# KiCad board strike-controller.kicad_pcb
title: Liger v0.2; date: 2016-09-21; company: PYFI
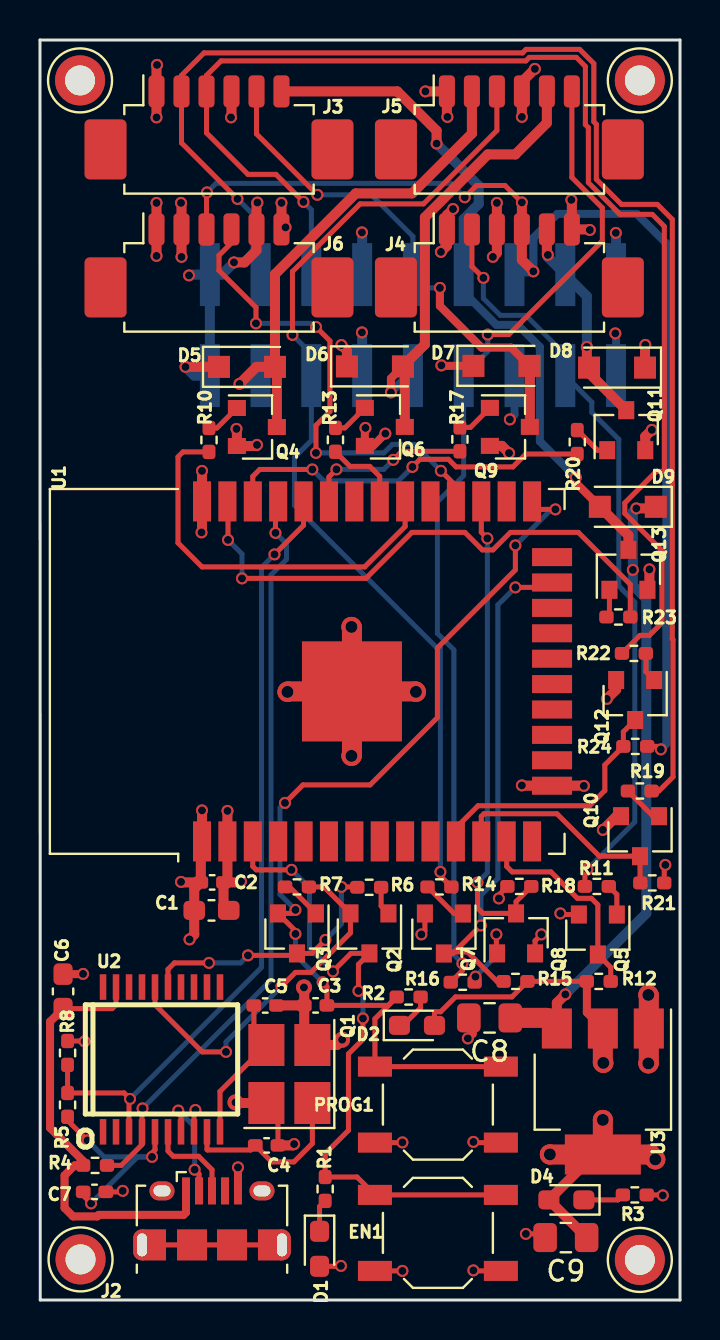
[diagram p0: board, top side]
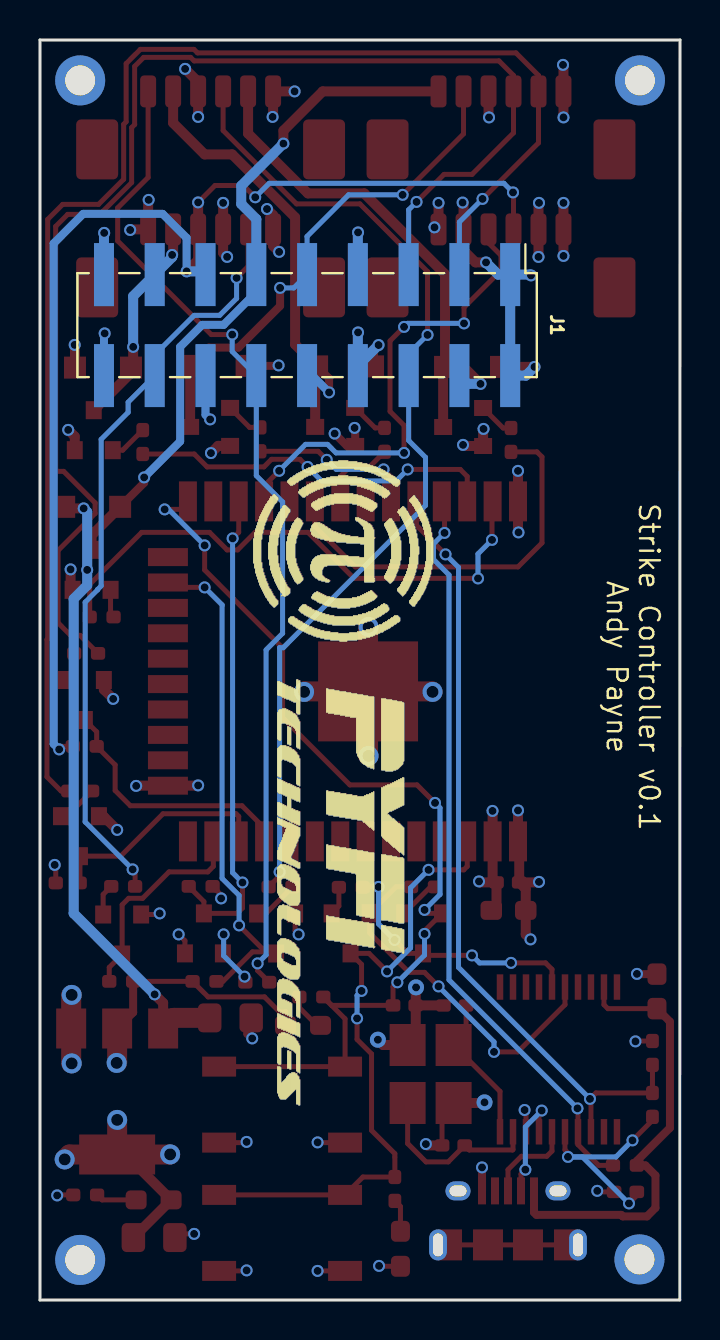
[diagram p1: board, bottom side, seen from below]

Outline 32.01 x 63 mm; copper layers: Top, In1.Cu (plane), In2.Cu (plane), Bottom. Coordinates in mm from the lower left corner of the outline.
Outline path: 0,63 0.01,0 32.01,0 32.01,63 0,63

## Placement (name value [footprint] x y rotation side)
C1  C_10uF  [C_0603_1608Metric_Pad1.08x0.95mm_HandSolder]  8.58 19.48 180 top
C2  C_1uF  [C_0402_1005Metric_Pad0.74x0.62mm_HandSolder]  8.61 20.88 180 top
C3  C_1uF  [C_0402_1005Metric_Pad0.74x0.62mm_HandSolder]  13.79 14.73 180 top
C4  C_27pF_0402  [C_0402_1005Metric_Pad0.74x0.62mm_HandSolder]  11.34 7.73 0 top
C5  C_27pF_0402  [C_0402_1005Metric_Pad0.74x0.62mm_HandSolder]  11.27 14.73 0 top
C6  C_22uF  [C_0603_1608Metric_Pad1.08x0.95mm_HandSolder]  1.15 15.43 90 top
C7  C_100nF_0402  [C_0402_1005Metric_Pad0.74x0.62mm_HandSolder]  2.73 5.41 0 top
C8  C_10uF  [C_0805_2012Metric_Pad1.18x1.45mm_HandSolder]  22.49 14.11 180 top
C9  C_10uF  [C_0805_2012Metric_Pad1.18x1.45mm_HandSolder]  26.3 3.12 180 top
D1  LED_G  [D_0603_1608Metric_Pad1.05x0.95mm_HandSolder]  13.98 2.56 270 top
D2  LED_G  [D_0603_1608Metric_Pad1.05x0.95mm_HandSolder]  18.86 13.73 0 top
D4  LED_G  [LED_0603_1608Metric_Pad1.05x0.95mm_HandSolder]  26.33 5.01 180 top
D5  D_SM4007PL  [D_SOD-123F]  10.35 46.66 0 top
D6  D_SM4007PL  [D_SOD-123F]  16.75 46.68 0 top
D7  D_SM4007PL  [D_SOD-123F]  23.08 46.71 0 top
D8  D_SM4007PL  [D_SOD-123F]  28.86 46.62 180 top
D9  D_SM4007PL  [D_SOD-123F]  29.4 39.66 180 top
EN1  SW_PUSH_SM  [SW_SPST_TL3342]  19.9 3.36 0 top
J1  Conn_02x09_Odd_Even  [PinHeader_2x09_P2.54mm_Vertical_SMD]  18.65 48.75 270 bottom
J2  USB_B_Micro  [USB_Micro-B_Amphenol_10118194_Horizontal]  8.6 4.06 0 top
J3  Molex_Blade_6pin  [Molex_PicoBlade_53261-0671_1x06-1MP_P1.25mm_Horizontal]  8.95 58.03 0 top
J4  Molex_Blade_6pin  [Molex_PicoBlade_53261-0671_1x06-1MP_P1.25mm_Horizontal]  23.48 51.13 0 top
J5  Molex_Blade_6pin  [Molex_PicoBlade_53261-0671_1x06-1MP_P1.25mm_Horizontal]  23.48 58.03 0 top
J6  Molex_Blade_6pin  [Molex_PicoBlade_53261-0671_1x06-1MP_P1.25mm_Horizontal]  8.95 51.13 0 top
J7  Conn_01x01_Female  [Mount_Hole_1p5]  2 60.98 0 top
J8  Conn_01x01_Female  [Mount_Hole_1p5]  2.03 2.03 0 top
J9  Conn_01x01_Female  [Mount_Hole_1p5]  30 60.98 0 top
J10  Conn_01x01_Female  [Mount_Hole_1p5]  30 2.01 0 top
LOGO  -  [LOGO]  18.23 30.78 270 bottom
PROG1  SW_PUSH_SM  [SW_SPST_TL3342]  19.9 9.77 0 top
Q1  Crystal_12Mhz  [Crystal_SMD_3225-4Pin_3.2x2.5mm_HandSoldering]  12.47 11.3 90 top
Q2  Q_SS8050  [SOT-23]  16.48 18.33 270 top
Q3  Q_SS8550  [SOT-23]  12.85 18.33 270 top
Q4  Q_MMBT5551  [SOT-23]  10.85 43.65 0 top
Q5  Q_MMBT5551  [SOT-23]  27.9 18.28 270 top
Q6  Q_MMBT5551  [SOT-23]  17.25 43.66 0 top
Q7  Q_MMBT5551  [SOT-23]  20.2 18.33 270 top
Q8  Q_MMBT5551  [SOT-23]  23.81 18.33 90 top
Q9  Q_MMBT5551  [SOT-23]  23.5 43.66 0 top
Q10  Q_MMBT5551  [SOT-23]  30.01 23.19 270 top
Q11  Q_MMBT5551  [SOT-23]  29.32 43.49 90 top
Q12  Q_MMBT5551  [SOT-23]  29.77 30 270 top
Q13  Q_MMBT5551  [SOT-23]  29.43 36.51 90 top
R1  R_10K_0402  [R_0402_1005Metric_Pad0.72x0.64mm_HandSolder]  14.26 5.55 270 top
R2  R_10K_0402  [R_0402_1005Metric_Pad0.72x0.64mm_HandSolder]  18.44 15.15 0 top
R3  R_1K_0402  [R_0402_1005Metric_Pad0.72x0.64mm_HandSolder]  29.75 5.26 0 top
R4  R_10K_0402  [R_0402_1005Metric_Pad0.72x0.64mm_HandSolder]  2.76 6.73 0 top
R5  R_10K_0402  [R_0402_1005Metric_Pad0.72x0.64mm_HandSolder]  1.38 9.76 90 top
R6  R_1K_0402  [R_0402_1005Metric_Pad0.72x0.64mm_HandSolder]  16.47 20.64 180 top
R7  R_1K_0402  [R_0402_1005Metric_Pad0.72x0.64mm_HandSolder]  12.86 20.66 0 top
R8  R_10K_0402  [R_0402_1005Metric_Pad0.72x0.64mm_HandSolder]  1.38 12.35 90 top
R10  R_1K_0402  [R_0402_1005Metric_Pad0.72x0.64mm_HandSolder]  8.45 43 270 top
R11  R_1K_0402  [R_0402_1005Metric_Pad0.72x0.64mm_HandSolder]  27.85 20.68 180 top
R12  R_1K_0402  [R_0402_1005Metric_Pad0.72x0.64mm_HandSolder]  27.95 15.93 180 top
R13  R_1K_0402  [R_0402_1005Metric_Pad0.72x0.64mm_HandSolder]  14.78 43.01 270 top
R14  R_1K_0402  [R_0402_1005Metric_Pad0.72x0.64mm_HandSolder]  19.98 20.66 0 top
R15  R_1K_0402  [R_0402_1005Metric_Pad0.72x0.64mm_HandSolder]  23.78 15.93 0 top
R16  R_1K_0402  [R_0402_1005Metric_Pad0.72x0.64mm_HandSolder]  21.14 15.89 180 top
R17  R_1K_0402  [R_0402_1005Metric_Pad0.72x0.64mm_HandSolder]  21 43.03 270 top
R18  R_1K_0402  [R_0402_1005Metric_Pad0.72x0.64mm_HandSolder]  23.98 20.68 180 top
R19  R_1K_0402  [R_0402_1005Metric_Pad0.72x0.64mm_HandSolder]  30 25.45 0 top
R20  R_1K_0402  [R_0402_1005Metric_Pad0.72x0.64mm_HandSolder]  26.87 42.9 270 top
R21  R_1K_0402  [R_0402_1005Metric_Pad0.72x0.64mm_HandSolder]  30.63 20.86 0 top
R22  R_1K_0402  [R_0402_1005Metric_Pad0.72x0.64mm_HandSolder]  29.71 32.33 180 top
R23  R_1K_0402  [R_0402_1005Metric_Pad0.72x0.64mm_HandSolder]  28.93 34.15 0 top
R24  R_1K_0402  [R_0402_1005Metric_Pad0.72x0.64mm_HandSolder]  29.78 27.68 0 top
U1  -  [ESP32-WROOM-32]  16.36 31.43 90 top
U2  CH340T(SSOP20W)  [SSOP-20W]  6.08 12.03 0 top
U3  REG_AMS1117-3.3  [SOT-223-3_TabPin2]  28.15 10.43 270 top

## Footprints (pads in the part's own frame, mm; a bottom-side part is the same pattern mirrored in y, then rotated)
C_0402_1005Metric_Pad0.74x0.62mm_HandSolder
  rrect 0.735x0.62 smd: 1(-0.568,0) 2(0.568,0)
C_0603_1608Metric_Pad1.08x0.95mm_HandSolder
  rrect 1.075x0.95 smd: 1(-0.863,0) 2(0.863,0)
C_0805_2012Metric_Pad1.18x1.45mm_HandSolder
  rrect 1.175x1.45 smd: 1(-1.038,0) 2(1.038,0)
Crystal_SMD_3225-4Pin_3.2x2.5mm_HandSoldering
  rect 2.1x1.8 smd: 1(-1.45,-1.15) 2(1.45,-1.15) 3(1.45,1.15) 4(-1.45,1.15)
D_0603_1608Metric_Pad1.05x0.95mm_HandSolder
  rrect 1.05x0.95 smd: 1(-0.875,0) 2(0.875,0)
D_SOD-123F
  rect 1.1x1.1 smd: 1(-1.4,0) 2(1.4,0)
ESP32-WROOM-32
  rect 2x0.9 smd: 1(-8.5,8.255) 2(-8.5,6.985) 3(-8.5,5.715) 4(-8.5,4.445) 5(-8.5,3.175) 6(-8.5,1.905) 7(-8.5,0.635) 8(-8.5,-0.635) 9(-8.5,-1.905) 10(-8.5,-3.175) 11(-8.5,-4.445) 12(-8.5,-5.715) 13(-8.5,-6.985) 14(-8.5,-8.255) 25(8.5,-8.255) 26(8.5,-6.985) 27(8.5,-5.715) 28(8.5,-4.445) 29(8.5,-3.175) 30(8.5,-1.905) 31(8.5,-0.635) 32(8.5,0.635) 33(8.5,1.905) 34(8.5,3.175) 35(8.5,4.445) 36(8.5,5.715) 37(8.5,6.985) 38(8.5,8.255)
  rect 0.9x2 smd: 15(-5.715,-9.255) 16(-4.445,-9.255) 17(-3.175,-9.255) 18(-1.905,-9.255) 19(-0.635,-9.255) 20(0.635,-9.255) 21(1.905,-9.255) 22(3.175,-9.255) 23(4.445,-9.255) 24(5.715,-9.255)
  rect 5x5 smd: 39(-1,0.755)
LED_0603_1608Metric_Pad1.05x0.95mm_HandSolder
  rrect 1.05x0.95 smd: 1(-0.875,0) 2(0.875,0)
Molex_PicoBlade_53261-0671_1x06-1MP_P1.25mm_Horizontal
  rrect 0.8x1.6 smd: 1(-3.125,2.4) 2(-1.875,2.4) 3(-0.625,2.4) 4(0.625,2.4) 5(1.875,2.4) 6(3.125,2.4)
  rrect 2.1x3 smd: MP(-5.675,-0.5) MP(5.675,-0.5)
Mount_Hole_1p5
  round 2.5 hole 1.5: 1(0,0)
PinHeader_2x09_P2.54mm_Vertical_SMD
  rect 3.15x1 smd: 1(-2.525,10.16) 2(2.525,10.16) 3(-2.525,7.62) 4(2.525,7.62) 5(-2.525,5.08) 6(2.525,5.08) 7(-2.525,2.54) 8(2.525,2.54) 9(-2.525,0) 10(2.525,0) 11(-2.525,-2.54) 12(2.525,-2.54) 13(-2.525,-5.08) 14(2.525,-5.08) 15(-2.525,-7.62) 16(2.525,-7.62) 17(-2.525,-10.16) 18(2.525,-10.16)
R_0402_1005Metric_Pad0.72x0.64mm_HandSolder
  rrect 0.715x0.64 smd: 1(-0.598,0) 2(0.598,0)
SOT-23
  rect 0.9x0.8 smd: 1(-1,0.95) 2(-1,-0.95) 3(1,0)
SOT-223-3_TabPin2
  rect 2x1.5 smd: 1(-3.15,2.3) 2(-3.15,0) 3(-3.15,-2.3)
  rect 2x3.8 smd: 2(3.15,0)
SSOP-20W
  rect 0.325x1.27 smd: 1(-2.925,-3.619) 2(-2.275,-3.619) 3(-1.625,-3.619) 4(-0.975,-3.619) 5(-0.325,-3.619) 6(0.325,-3.619) 7(0.975,-3.619) 8(1.625,-3.619) 9(2.275,-3.619) 10(2.925,-3.619) 11(2.925,3.619) 12(2.275,3.619) 13(1.625,3.619) 14(0.975,3.619) 15(0.325,3.619) 16(-0.325,3.619) 17(-0.975,3.619) 18(-1.625,3.619) 19(-2.275,3.619) 20(-2.925,3.619)
SW_SPST_TL3342
  rect 1.7x1 smd: 1(-3.15,1.9) 1(3.15,1.9) 2(-3.15,-1.9) 2(3.15,-1.9)
USB_Micro-B_Amphenol_10118194_Horizontal
  oval 0.89x1.55 smd: (-3.5,-1.3) (3.5,-1.3)
  oval 1.25x0.95 smd: (-2.5,1.4) (2.5,1.4)
  rect 0.4x1.35 smd: 1(-1.3,1.4) 2(-0.65,1.4) 3(0,1.4) 4(0.65,1.4) 5(1.3,1.4)
  oval 0.89x1.55 hole 0.5x1.15: 6(-3.5,-1.3) 6(3.5,-1.3)
  rect 1.2x1.55 smd: 6(-2.9,-1.3) 6(2.9,-1.3)
  oval 1.25x0.95 hole 0.85x0.55: 6(-2.5,1.4) 6(2.5,1.4)
  rect 1.5x1.55 smd: 6(-1,-1.3) 6(1,-1.3)

## Nets
/3V3: C1.1 C2.1 C9.1 D1.2 D2.2 D4.2 J1.13 J4.4 J6.3 R8.2 R12.2 R15.2 R18.2 R21.2 R24.2 U1.2 U3.2
/USB/5V: C6.1 J2.1 R4.1 U2.19
GND: C1.2 C2.2 C3.2 C4.2 C5.2 C6.2 C7.2 C8.2 C9.2 EN1.2 J1.7 J1.17 J1.18 J2.5 J2.6 J3.4 J4.3 J4.6 J6.1 J6.6 J7.1 J8.1 J9.1 J10.1 PROG1.2 Q1.2 Q1.4 Q4.2 Q5.2 Q6.2 Q7.2 Q8.2 Q9.2 Q10.2 Q11.2 Q12.2 Q13.2 R3.2 U1.1 U1.15 U1.38 U1.39 U2.8 U3.1
/AUX: D9.2 J1.11 J3.6 Q13.3
/AUX_IO: R23.2 U1.37
/BUZZER1: D8.2 J1.15 J4.5 Q11.3
/BUZZER1_IO: R20.2 U1.36
/CONTACT1: J1.6 J5.3 R14.2
/CONTACT1_IO: Q7.3 R15.1 U1.23
/CONTACT2: J1.12 J5.6 R16.2
/CONTACT2_IO: Q8.3 R18.1 U1.27
/ESP_EN: EN1.1 Q2.3 R1.1 U1.3
/EXIT: J1.16 J4.2 R11.2
/EXIT_IO: Q5.3 R12.1 U1.13
/IO2: U1.24
/IO17: J6.4 U1.28
/KEYPAD_PUSH: D7.2 J1.9 J3.5 Q9.3
/KEYPAD_PUSH_IO: R17.2 U1.33
/LOCK1: D5.2 J1.4 J5.2 Q4.3
/LOCK1_IO: R10.2 U1.30
/LOCK2: D6.2 J1.10 J5.5 Q6.3
/LOCK2_IO: R13.2 U1.31
/Microcontroller/FACT: U1.4
/Microcontroller/IO4: U1.26
/Microcontroller/IO5: U1.29
/Microcontroller/IO12: U1.14
/Microcontroller/IO13: U1.16
/Microcontroller/IO25: U1.10
/Microcontroller/IO32: U1.8
/Microcontroller/IO33: U1.9
/Microcontroller/IO34: U1.6
/Microcontroller/IO35: U1.7
/POWER: C8.1 D5.1 D6.1 D7.1 D8.1 D9.1 J1.1 J1.2 J1.8 J1.14 J3.1 J4.1 J5.1 J5.4 J6.2 J6.5 U3.3
/PROG: C3.1 PROG1.1 Q3.2 R2.1 U1.25
/RX: R5.2 R8.1 U1.34 U2.3
/TX: R4.2 U1.35 U2.4
/USB/D+: J2.3 U2.6
/USB/D-: J2.2 U2.7
/WG_D0: J1.3 J3.2 R19.2
/WG_D0_IO: Q10.3 R21.1 U1.12
/WG_D1: J1.5 J3.3 R22.2
/WG_D1_IO: Q12.3 R24.1 U1.11
Net-(C4-Pad1): C4.1 Q1.1 U2.9
Net-(C5-Pad1): C5.1 Q1.3 U2.10
Net-(C7-Pad1): C7.1 R5.1 U2.5
Net-(D1-Pad1): D1.1 R1.2
Net-(D2-Pad1): D2.1 R2.2
Net-(D4-Pad1): D4.1 R3.1
Net-(J2-Pad4): J2.4
Net-(Q2-Pad1): Q2.1 R6.1
Net-(Q2-Pad2): Q2.2 R7.2 U2.16
Net-(Q3-Pad1): Q3.1 R7.1
Net-(Q3-Pad3): Q3.3 R6.2 U2.15
Net-(Q4-Pad1): Q4.1 R10.1
Net-(Q5-Pad1): Q5.1 R11.1
Net-(Q6-Pad1): Q6.1 R13.1
Net-(Q7-Pad1): Q7.1 R14.1
Net-(Q8-Pad1): Q8.1 R16.1
Net-(Q9-Pad1): Q9.1 R17.1
Net-(Q10-Pad1): Q10.1 R19.1
Net-(Q11-Pad1): Q11.1 R20.1
Net-(Q12-Pad1): Q12.1 R22.1
Net-(Q13-Pad1): Q13.1 R23.1
Net-(U1-Pad5): U1.5
Net-(U1-Pad17): U1.17
Net-(U1-Pad18): U1.18
Net-(U1-Pad19): U1.19
Net-(U1-Pad20): U1.20
Net-(U1-Pad21): U1.21
Net-(U1-Pad22): U1.22
Net-(U1-Pad32): U1.32
Net-(U2-Pad11): U2.11
Net-(U2-Pad12): U2.12
Net-(U2-Pad13): U2.13
Net-(U2-Pad14): U2.14
Net-(U2-Pad17): U2.17
Net-(U2-Pad20): U2.20

Pads without a net: J3 MP; J4 MP; J5 MP; J6 MP; U2 1 2 18

## Via types
v1: diameter 0.6, hole 0.4, Top to Bottom, 133 vias
v2: diameter 1, hole 0.6, Top to Bottom, 10 vias
v3: diameter 0.8, hole 0.4, Top to Bottom, 3 vias

## Routing (per net, layer and track width the routed paths; a pad name or vN(x,y) marks a point on that pad's centre or on a via; arc(x,y) is an arc through that point)
/3V3: length 95.2
  Top w0.25: R21.2 31.22,21.7 v1(31.28,21.76) ; v1(24.1,54.88) 23.26,55.73 21.84,55.73 v1(21.25,55.14) ; R12.2 R15.2 23.61,15.16 20.78,15.16 20.04,14.41 19.73,14.41 D2.2 ; v1(2.23,12.93) 2.21,12.95 R8.2 ; R24.2 30.9,27.68 v1(31.05,27.53) ; v1(15.05,1.71) 15.03,1.69 D1.2 ; J6.3 8.33,55.36 v1(8.35,55.38) ; R18.2 22.95,20.26 v1(22.95,20.08)
  Top w0.4: R12.2 27.35,14.38 28.15,13.58
  Top w0.5: v1(10.05,20.93) 10,20.88 9.18,20.88 ; 9.18,20.88 9.18,19.74 C1.1 ; 9.18,20.88 9.37,21.08 U1.2 9.37,24.45 v1(9.38,24.46) ; v1(24.68,51.43) 24.1,52.01 J4.4 v1(24.1,54.88) ; 27.17,3.31 27.15,3.31 D4.2 27.72,7.28 U3.2
  Top w1: 28.15,13.58 28.15,11.88 v2(28.18,11.86) ; U3.2 v2(28.15,9.01) ; U3.2 30.53,7.28 v2(30.78,7.03) ; U3.2 25.51,7.28 v2(25.5,7.28)
  Bottom w0.25: v1(8.35,55.38) 8.81,55.83 20.55,55.83 v1(21.25,55.14)
  Bottom w0.4: v1(24.68,51.43) 24.68,53.11 25.88,54.31 29.85,54.31 31.33,52.83 31.33,27.81 v1(31.05,27.53)
  Bottom w0.5: v1(24.68,51.43) 23.89,51.43 J1.13
/USB/5V: length 23.1
  Top w0.25: C6.1 3.61,14.57 3.8,14.76 U2.19 ; J2.1 7.3,5.96
  Top w0.4: J2.1 7.3,4.38 7.18,4.26 2.94,4.26 2.87,4.18 1.65,4.18 1.23,4.61 1.23,6.23 1.73,6.73 R4.1 2.16,6.95 0.5,8.61 0.5,13.92 C6.1
GND: length 90.7
  Top w0.25: v1(18.13,7.88) 18.12,7.87 PROG1.2 ; v1(25.08,18.28) 24.76,17.97 Q8.2 ; EN1.2 21.7,1.46 v1(21.68,1.48) ; R3.2 31.13,5.26 v1(31.15,5.23) ; EN1.2 v1(18.13,1.46) ; U2.8 7.7,9.43 v1(7.77,9.5) ; Q1.4 11.9,9.27 C4.2 ; v1(21.68,7.91) 21.71,7.87 PROG1.2 ; J2.6 J2.6 J2.6 J2.6 J2.6 J2.6 ; Q7.2 19.25,18.46 v1(19.08,18.28) ; 25.44,3.31 v1(24.3,3.31) ; v1(4.14,5.46) 4.09,5.41 C7.2 ; v1(26.03,19.33) 26.08,19.28 Q5.2
  Top w0.4: J2.5 v1(9.9,6.63) ; 21.65,14.11 21.65,13.31 ; 21.63,13.31 v1(21.4,13.08) ; C6.2 2.14,16.29 v1(2.15,16.31) ; v1(16.28,43.61) 16.25,43.58 16.25,42.71 16.66,42.71 v1(17.28,43.32)
  Top w0.5: J3.4 9.58,59.16 v1(9.55,59.13) ; C2.2 7.08,20.88 v1(7.05,20.91) ; C2.2 8.04,22.87 U1.1 v1(8.1,24.48) ; C2.2 7.72,20.55 C1.2 7.72,18.28 7.52,18.08 ; v1(8.08,38.38) 8.1,38.41 U1.38 v1(8.1,41.46) ; v1(5.83,54.86) J6.1 v1(5.83,52.21) ; v1(12.28,53.63) 12.18,53.53 J6.6 v1(12.08,54.86) ; Q11.2 30.27,43.18 v1(30.6,43.51) ; v1(28.15,23.51) 28.84,24.19 Q10.2 ; v1(27.5,53.5) 27.48,53.53 J4.6 26.6,54.98 v1(26.58,55.01) ; v1(22.85,54.85) J4.3 22.85,52.36 v1(22.65,52.16) ; C3.2 13.22,13.16 Q1.2 14.85,12.75 v3(15.11,13.01) ; C3.2 11.84,14.73 C5.2 ; C3.2 13.22,15.62 v3(13.2,15.63) ; v3(9.78,9.88) 9.81,9.85 Q1.4 ; Q12.2 28.82,30.52 v1(28.35,30.06) ; v1(27.2,25.71) 27.19,25.72 U1.15 24.12,25.72 v1(24.1,25.73) ; C4.2 12.65,7.73 v1(12.71,7.8) ; v1(10.85,42.76) 10.8,42.7 Q4.2 9.85,43.54 v1(9.83,43.56) ; v1(23.46,42.35) 23.1,42.71 22.5,42.71 ; v1(30.48,36.53) 30.48,35.61 Q13.2
  Top w1: U1.39 15.6,27.23 v2(15.58,27.21) ; U1.39 18.78,30.43 v2(18.8,30.41) ; U1.39 12.4,30.43 v2(12.38,30.41) ; U1.39 15.6,33.63 v2(15.58,33.66) ; v2(30.43,15.26) 30.45,15.23 30.45,11.86 v2(30.43,11.83)
  Bottom w0.4: J1.18 28.81,48.3 v1(28.78,48.33)
  Bottom w0.5: J1.17 28.81,53.35 v1(28.8,53.36) ; v1(16.1,53.38) 16.11,53.37 J1.7
  vias: v1(7.48,18.03)
/AUX: length 34.8
  Top w0.4: D9.2 26.8,40.86 v1(26.8,41.13)
  Top w0.5: v1(19.84,57.82) 19.84,58.47 17.87,60.43 J3.6 ; D9.2 29.43,38.23 Q13.3
  Bottom w0.4: v1(26.8,41.13) 25,42.93 25,47.66 23.9,48.75 22.83,48.75 21.19,50.39 J1.11
  Bottom w0.5: J1.11 21.19,54.05 21.95,54.8 21.95,55.71 v1(19.84,57.82)
/AUX_IO: length 28
  Top w0.25: U1.37 9.4,39.9 v1(9.4,38.01) ; v1(10.1,36.08) 16.3,36.08 18.6,38.38 21.25,38.38 22.13,37.5 22.66,37.5 23.53,38.38 26.93,38.38 29.53,35.78 R23.2
  Bottom w0.25: v1(9.4,38.01) 10.1,37.31 v1(10.1,36.08)
/BUZZER1: length 10.7
  Top w0.5: J4.5 25.35,52.31 v1(25.4,52.26) ; v1(27.35,47.66) 27.35,46.73 D8.2 27.46,46.35 Q11.3
  Bottom w0.5: v1(25.4,52.26) 25.4,52.14 J1.15 27.35,50.19 v1(27.35,47.66)
/BUZZER1_IO: length 18.7
  Top w0.25: v1(18.63,41.66) 19.01,42.03 20.43,42.03 20.81,41.66 23.65,41.66 24.3,42.3 R20.2 ; v1(13.62,41.53) 10.99,41.53 10.64,41.18 U1.36
  Bottom w0.25: v1(13.62,41.53) 14.19,40.96 17.93,40.96 v1(18.63,41.66)
/CONTACT1: length 50
  Top w0.25: J5.3 22.85,58.48 19.18,54.81 16.01,54.81 12.63,51.42 v1(12.63,48.25) ; v1(20.03,21.41) 20.03,21.21 R14.2
  Bottom w0.25: v1(20.03,21.41) 20.03,32.61 19.84,32.61 12.73,39.73 12.73,42.13 13.57,42.98 J1.6 13.57,47.31 v1(12.63,48.25)
/CONTACT1_IO: length 25.6
  Top w0.25: v1(23.78,35.63) 25.37,35.63 U1.23 ; R15.1 22.86,15.93 21.39,17.41 20.28,17.41 Q7.3 20.65,17.33 v1(22.05,18.73)
  Bottom w0.25: v1(23.78,35.63) 22.9,34.76 22.9,21.08 22.05,20.23 v1(22.05,18.73)
/CONTACT2: length 50
  Top w0.25: v1(22.4,48.27) 23.44,48.27 28.13,52.96 28.13,54.61 26.6,56.13 J5.6 ; v1(21.13,16.83) 21.13,16.47 R16.2
  Bottom w0.25: v1(22.4,48.27) 22.4,47.42 J1.12 21.19,41.22 19.88,39.91 19.88,33.33 20.7,32.51 20.7,17.26 v1(21.13,16.83)
/CONTACT2_IO: length 24.4
  Top w0.25: U1.27 22.07,38.39 v1(22.38,38.08) ; v1(21.88,20.87) 21.88,19.6 22.15,19.33 Q8.3 23.81,19.92 R18.1
  Bottom w0.25: v1(22.38,38.08) 22.38,21.37 v1(21.88,20.87)
/ESP_EN: length 32.8
  Top w0.25: v1(14.65,16.43) 15.55,17.33 Q2.3 15.93,16.78 v1(15.93,15.46) ; U1.3 10.64,21.68 10.82,21.51 v1(12.58,21.51) ; EN1.1 EN1.1 15.86,6.15 R1.1 14.26,7.32 15.43,8.48 15.43,12.31 16.15,13.03 v1(16.15,14.08)
  Bottom w0.25: v1(14.65,16.43) 13.48,17.61 13.48,20.61 v1(12.58,21.51) ; v1(16.15,14.08) 16.15,15.23 v1(15.93,15.46)
/EXIT: length 38
  Top w0.25: v1(22.18,51.11) 21.6,51.68 J4.2 ; v1(27.38,21.53) 27.26,21.41 R11.2
  Bottom w0.25: v1(22.18,51.11) 22.18,50.08 23.03,49.23 24.3,49.23 26.27,47.26 J1.16 27.6,44.89 27.6,44.38 28.95,43.03 28.95,35.71 29.13,35.53 29.13,35.51 29.75,34.89 29.75,23.91 v1(27.38,21.53)
/EXIT_IO: length 10.7
  Top w0.25: U1.13 23.34,21.68 23.62,21.41 25.56,21.41 26.88,20.08 27.58,20.08 27.9,19.76 Q5.3 28.55,16.63 R12.1
/IO17: length 24.5
  Top w0.25: v1(20.05,41.46) 20.8,40.71 U1.28 ; v1(10.8,48.83) 10.8,49.63 8.95,51.48 8.95,52.23 9.58,52.86 J6.4 ; v1(13.8,48.66) 14.5,47.96 14.5,44.43 13.8,43.73 v1(13.8,42.36)
  Bottom w0.25: v1(20.05,41.46) 18.73,42.78 17.63,42.78 17.2,42.36 v1(13.8,42.36) ; v1(13.8,48.66) 13.63,48.83 v1(10.8,48.83)
/KEYPAD_PUSH: length 25.3
  Top w0.25: J3.5 10.83,58.31 v1(13.88,55.26)
  Top w0.4: v1(20,50.61) 20,49.7 22.09,47.62 23.56,47.62 D7.2
  Top w0.5: Q9.3 24.5,46.68 D7.2
  Bottom w0.25: v1(20,50.61) 19.32,50.61 J1.9 18.65,53.18 16.58,55.26 v1(13.88,55.26)
/KEYPAD_PUSH_IO: length 8.3
  Top w0.25: 21,42.44 18.1,42.44 v1(17.67,42.01) ; v1(14.83,41.53) 14.45,41.16 U1.33
  Bottom w0.25: v1(14.83,41.53) 17.19,41.53 v1(17.67,42.01)
/LOCK1: length 25.9
  Top w0.5: Q4.3 11.85,46.56 D5.2 ; D5.2 11.75,51.29 15.79,55.33 18.61,55.33 21.6,58.32 J5.2 ; D5.2 10.83,46.66 v1(9.98,45.81)
  Bottom w0.5: v1(9.98,45.81) 10.62,45.81 J1.4
/LOCK1_IO: length 19.9
  Top w0.25: R10.2 7.15,42.41 6.9,42.16 6.9,37.86 8.1,36.66 16.24,36.66 18.26,38.68 U1.30
/LOCK2: length 23.6
  Top w0.4: D6.2 17.55,46.08 v1(17.55,45.38)
  Top w0.5: Q6.3 18.25,46.59 D6.2 19.25,47.78 19.25,54.13 22.4,57.28 23.78,57.28 25.35,58.86 J5.5
  Bottom w0.4: v1(17.55,45.38) 18.39,46.22 J1.10
/LOCK2_IO: length 4
  Top w0.25: R13.2 15.51,41.68 16.49,41.68 16.99,41.18 U1.31
/POWER: length 69.3
  Top w0.4: 21.68,46.71 20.1,46.71 v1(20.08,46.73)
  Top w0.5: v1(20.05,52.41) 20.35,52.71 J4.1 20.35,54.24 v1(20.66,54.55) ; v1(7.05,54.86) 7.08,54.83 J6.2 v1(7.08,52.16) ; v1(29.83,39.58) 30.72,39.58 D9.1 ; v1(19.28,60.43) J5.1 20.35,59.18 v1(20.38,59.16) ; v1(10.88,54.87) 10.83,54.83 J6.5 10.83,52.48 10.23,51.88 v1(9.7,51.88) ; D8.1 30.26,47.74 v1(30.28,47.76) ; D6.1 15.35,47.47 v1(15.08,47.75) ; v1(24.1,59.16) J5.4 24.1,60.91 v1(24.75,61.56) ; D5.1 v1(7.28,46.66) ; v1(5.83,59.13) J3.1 5.83,61.73 v1(5.85,61.76) ; v1(26.28,15.28) 25.85,14.86 25.85,13.58
  Top w1: 25.85,13.58 25.32,14.11 23.6,14.11
  Bottom w0.4: v1(23.5,44.03) 23.73,44.26 J1.14
  Bottom w0.5: v1(7.45,51.23) 7.49,51.27 J1.1 ; v1(15.08,47.75) 16.11,46.71 J1.8 16.11,48.37 v1(16.1,48.38) ; J1.1 9.09,51.27 v1(9.7,51.88) ; J1.1 J1.2 7.71,46.22 v1(7.28,46.66) ; v1(29.83,39.58) 29.65,39.41 v1(29.65,36.51) 29.65,36.56 29.65,35.73 30.33,35.06 30.33,19.33 v1(26.28,15.28)
/PROG: length 49.9
  Top w0.25: v1(23.78,37.73) 23.78,36.51 19.88,32.61 19.88,29.12 16.51,25.76 13.15,25.76 v1(12.25,24.86) ; PROG1.1 PROG1.1 16.75,14.06 R2.1 17.42,14.73 C3.1 14.35,15.67 v1(14.14,15.89) ; v1(25.78,39.53) 25.01,39.53 U1.25 ; v1(12.78,18.31) 12.78,18.46 Q3.2 12.6,19.33 v1(12.78,19.51)
  Bottom w0.25: v1(12.78,18.31) 12.78,17.24 v1(14.14,15.89) ; v1(23.78,37.73) 25.58,39.53 v1(25.78,39.53) ; v1(12.78,19.51) 12,20.28 12,24.61 v1(12.25,24.86)
/RX: length 39.8
  Top w0.25: U1.34 13.18,38.74 v1(11.73,37.28) ; U2.3 4.45,10.01 v1(4.5,10.06) 4.21,10.35 R5.2 R8.1
  Bottom w0.25: v1(11.73,37.28) 11.08,36.63 11.08,16.63 v1(4.5,10.06)
/TX: length 37.6
  Top w0.25: v1(11.78,38.36) 11.78,39.8 U1.35 ; R4.2 4.07,6.73 5.1,7.77 U2.4 5.1,9.56 v1(5.13,9.58)
  Bottom w0.25: v1(11.78,38.36) 12.33,37.8 12.33,37.03 11.55,36.25 11.55,16.01 v1(5.13,9.58)
/USB/D+: length 4.6
  Top w0.25: J2.3 8.6,6.52 7.93,7.19 6.66,7.19 6.4,7.45 U2.6
/USB/D-: length 5.6
  Top w0.25: v1(7.74,6.52) 7.95,6.3 J2.2 ; U2.7 7.05,9.34 v1(6.92,9.47)
  Bottom w0.25: v1(7.74,6.52) 7.74,8.65 v1(6.92,9.47)
/WG_D0: length 72.8
  Top w0.25: v1(9.88,55.06) 7.08,57.86 J3.2 7.08,61.23 8.2,62.36 24.14,62.36 24.31,62.53 26.99,62.53 27.7,61.82 27.7,58.91 27.83,58.79 27.83,56.04 29.09,54.78 30.88,54.78 31.63,54.03 31.63,33.06 31.66,33.02 31.66,26.15 30.96,25.45 R19.2
  Bottom w0.25: J1.3 11.03,53.9 v1(9.88,55.06)
/WG_D0_IO: length 11.5
  Top w0.25: U1.12 22.07,24.18 22.21,24.31 25.86,24.31 27.98,22.19 Q10.3 30.01,20.87 R21.1
/WG_D1: length 67.4
  Top w0.25: 31.23,41.43 31.23,41.56 ; 31.23,41.43 31.23,53.68 30.63,54.28 29.02,54.28 27.43,55.87 27.43,58.62 27.28,58.77 27.28,61.68 26.83,62.13 24.48,62.13 24.3,61.96 9.05,61.96 8.33,61.23 J3.3 8.33,58.36 10.4,56.28 11.8,56.28 v1(13.18,54.91) ; 31.23,41.43 30.83,41.43 29.25,39.86 29.25,39.33 31.11,37.47 31.11,33.86 30.48,33.23 30.01,33.23 R22.2
  Bottom w0.25: v1(13.18,54.91) 13.57,54.51 J1.5
/WG_D1_IO: length 13.1
  Top w0.25: U1.11 20.8,23.61 21.91,24.71 27.49,24.71 28.25,25.47 28.25,26.76 R24.1 29.18,28.41 Q12.3
Net-(C4-Pad1): length 9
  Top w0.25: Q1.1 13.62,7.83 12.7,6.91 11.59,6.91 10.77,7.73 10.54,7.5 8.38,7.5 8.35,7.53 U2.9
Net-(C5-Pad1): length 7.5
  Top w0.25: C5.1 10.7,13.38 Q1.3 9,10.43 U2.10
Net-(C7-Pad1): length 11.2
  Top w0.25: v1(5.6,7.16) 5.6,7.36 5.75,7.51 U2.5 ; v1(2.38,7.98) 1.38,8.98 R5.1 ; C7.1 2.16,5.22 v1(2.55,4.83)
  Bottom w0.25: v1(2.38,7.98) 3.2,7.16 v1(5.6,7.16) 4.88,7.16 v1(2.55,4.83)
Net-(D1-Pad1): length 1.6
  Top w0.25: D1.1 13.98,4.68 R1.2
Net-(D2-Pad1): length 1.8
  Top w0.25: R2.2 19.04,14.62 18.15,13.73
Net-(D4-Pad1): length 2.1
  Top w0.25: R3.1 28.91,5.01 D4.1
Net-(Q2-Pad1): length 1.5
  Top w0.25: Q2.1 17.06,19.7 R6.1
Net-(Q2-Pad2): length 18
  Top w0.25: v1(9.3,12.41) 8.11,12.41 5.75,14.76 U2.16 ; v1(12.08,15.68) 12.78,16.38 13.55,16.38 15.53,18.36 Q2.2 14.2,20.66 R7.2
  Bottom w0.25: v1(9.3,12.41) 9.3,12.91 v1(12.08,15.68)
Net-(Q3-Pad1): length 2.1
  Top w0.25: R7.1 12.48,20.66 Q3.1
Net-(Q3-Pad3): length 13.1
  Top w0.25: v1(15.08,20.66) 15.85,20.66 R6.2 ; v1(10.4,17.23) 12.75,17.23 Q3.3 13.6,17.33 v1(14.28,18.01) ; v1(8.45,16.86) 6.72,16.86 6.4,16.53 U2.15
  Bottom w0.25: v1(14.28,18.01) 15.08,18.81 v1(15.08,20.66) ; v1(10.4,17.23) 10.03,16.86 v1(8.45,16.86)
Net-(Q4-Pad1): length 1.8
  Top w0.25: Q4.1 8.85,43.6 R10.1
Net-(Q5-Pad1): length 1.6
  Top w0.25: R11.1 28.85,20.28 Q5.1
Net-(Q6-Pad1): length 1.9
  Top w0.25: Q6.1 15.25,43.61 R13.1
Net-(Q7-Pad1): length 2.3
  Top w0.25: Q7.1 20.71,19.33 R14.1
Net-(Q8-Pad1): length 3.8
  Top w0.25: R16.1 21.74,16.13 v1(21.78,16.17) ; Q8.1 22.83,17.37 v1(22.83,18.28)
  Bottom w0.25: v1(22.83,18.28) 22.83,17.22 v1(21.78,16.17)
Net-(Q9-Pad1): length 1.9
  Top w0.25: R17.1 21.53,43.63 Q9.1
Net-(Q10-Pad1): length 2.1
  Top w0.25: Q10.1 30.67,24.19 R19.1
Net-(Q11-Pad1): length 1.9
  Top w0.25: Q11.1 27.88,42.49 R20.1
Net-(Q12-Pad1): length 1.5
  Top w0.25: 30.72,31 30.3,31.42 R22.1
Net-(Q13-Pad1): length 1.4
  Top w0.25: R23.1 28.48,34.3 Q13.1

## Copper pours and planes (outline as drawn; the poured copper is in the pictures)
/3V3 on In2.Cu: 31.73,27.92 31.75,0.26 0.25,0.26 0.55,27.92
GND on In1.Cu: 0.2,62.81 31.8,62.81 31.8,0.21 0.2,0.21
/POWER on In2.Cu: 31.73,62.69 31.75,35.03 0.25,35.03 0.55,62.69

## Text on the board
B.Silkscreen: Strike Controller v0.1 / Andy Payne
